# EAGLE board Mk4 Final Panel 8up 4x2 (EAGLE 9.0.1), part 20 of 23
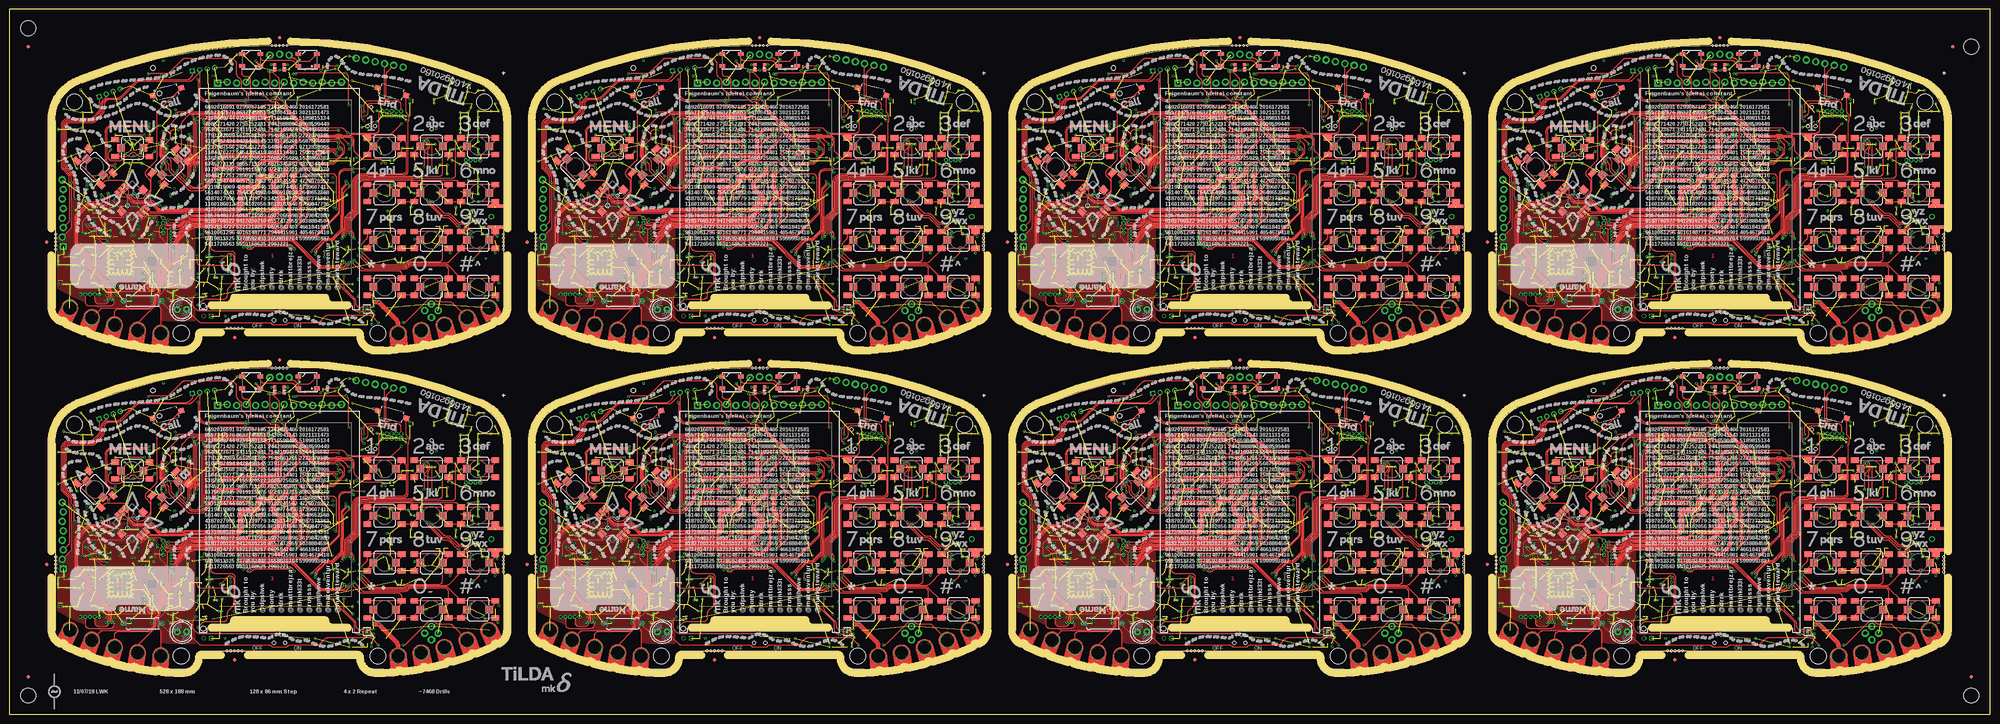
[diagram p0: board, top side]
## Tracks (layer width: path | path; a pad name or v marks a point on that pad's centre or on a via) (continued)
SSI2_CC_MISO3  (via drill 0.3) (continued)
  Bottom 0.15: IC65.7 158.25,115 R305.1 158.59,114.75 arc-45 159.29,114.46 160.06,113.69 arc45 161.12,113.25 166.45,113.25 arc90 167.7,114.5 167.7,116.43 arc-45 168.07,117.32 169.49,118.74 arc45 170,119.97 170,125.39 arc-45 170.29,126.09 v171,126.8 | IC56.1 206.2,142.6 206.31,142.49 arc-45 206.6,141.79 206.6,141.6 arc45 v206.75,141.24 | v204.6,130.8 204.55,130.75 v200.6,130.75
SSI2_CC_MISO4  (via drill 0.3)
  Top 0.15: v299,40.8 300.08,40.8 303.67,44.39 arc-45 304.9,44.9 328.24,44.9 arc-45 v328.6,44.75 | v334.75,55.24 334.52,55.01 arc-45 334.5,54.96 334.19,54.65 arc45 333.9,53.94 333.9,46.21 arc-45 333.61,45.51 332.9,44.8 v332.6,44.8
  Bottom 0.15: IC83.7 286.25,29 R383.1 286.59,28.75 arc-45 287.29,28.46 288.06,27.69 arc45 289.12,27.25 294.45,27.25 arc90 295.7,28.5 295.7,30.43 arc-45 296.07,31.32 297.49,32.74 arc45 298,33.98 298,39.39 arc-45 298.29,40.09 v299,40.8 | IC74.1 334.2,56.6 334.31,56.49 arc-45 334.6,55.79 334.6,55.6 arc45 v334.75,55.24 | v332.6,44.8 332.55,44.75 v328.6,44.75
SSI2_CC_MISO5  (via drill 0.3)
  Top 0.15: v427,40.8 428.08,40.8 431.67,44.39 arc-45 432.9,44.9 456.24,44.9 arc-45 v456.6,44.75 | v462.75,55.24 462.52,55.01 arc-45 462.5,54.96 462.19,54.65 arc45 461.9,53.94 461.9,46.21 arc-45 461.61,45.51 460.9,44.8 v460.6,44.8
  Bottom 0.15: IC101.7 414.25,29 R461.1 414.59,28.75 arc-45 415.29,28.46 416.06,27.69 arc45 417.12,27.25 422.45,27.25 arc90 423.7,28.5 423.7,30.43 arc-45 424.07,31.32 425.49,32.74 arc45 426,33.98 426,39.39 arc-45 426.29,40.09 v427,40.8 | IC92.1 462.2,56.6 462.31,56.49 arc-45 462.6,55.79 462.6,55.6 arc45 v462.75,55.24 | v460.6,44.8 460.55,44.75 v456.6,44.75
SSI2_CC_MISO6  (via drill 0.3)
  Top 0.15: v299,126.8 300.08,126.8 303.67,130.39 arc-45 304.9,130.9 328.24,130.9 arc-45 v328.6,130.75 | v334.75,141.24 334.52,141.01 arc-45 334.5,140.96 334.19,140.65 arc45 333.9,139.94 333.9,132.21 arc-45 333.61,131.51 332.9,130.8 v332.6,130.8
  Bottom 0.15: IC119.7 286.25,115 R539.1 286.59,114.75 arc-45 287.29,114.46 288.06,113.69 arc45 289.12,113.25 294.45,113.25 arc90 295.7,114.5 295.7,116.43 arc-45 296.07,117.32 297.49,118.74 arc45 298,119.97 298,125.39 arc-45 298.29,126.09 v299,126.8 | IC110.1 334.2,142.6 334.31,142.49 arc-45 334.6,141.79 334.6,141.6 arc45 v334.75,141.24 | v332.6,130.8 332.55,130.75 v328.6,130.75
SSI2_CC_MISO7  (via drill 0.3)
  Top 0.15: v427,126.8 428.08,126.8 431.67,130.39 arc-45 432.9,130.9 456.24,130.9 arc-45 v456.6,130.75 | v462.75,141.24 462.52,141.01 arc-45 462.5,140.96 462.19,140.65 arc45 461.9,139.94 461.9,132.21 arc-45 461.61,131.51 460.9,130.8 v460.6,130.8
  Bottom 0.15: IC137.7 414.25,115 R617.1 414.59,114.75 arc-45 415.29,114.46 416.06,113.69 arc45 417.12,113.25 422.45,113.25 arc90 423.7,114.5 423.7,116.43 arc-45 424.07,117.32 425.49,118.74 arc45 426,119.97 426,125.39 arc-45 426.29,126.09 v427,126.8 | IC128.1 462.2,142.6 462.31,142.49 arc-45 462.6,141.79 462.6,141.6 arc45 v462.75,141.24 | v460.6,130.8 460.55,130.75 v456.6,130.75
SSI2_CC_MOSI  (via drill 0.3)
  Top 0.15: v43,41.6 44.45,41.6 47.47,44.61 arc-45 48.88,45.2 71.89,45.2 arc45 v72.59,45.49 v72.6,45.5 | v78,56 78.5,56 arc-90 79.5,55 79.5,47.31 arc-45 79.21,46.61 v76.6,44
  Bottom 0.15: IC15.6 30.75,29.91 arc45 31.04,29.21 32.23,28.02 arc45 33.12,27.65 36.75,27.65 36.78,27.62 38.4,27.62 arc90 39.4,28.62 39.4,30.45 arc-45 39.84,31.51 41.26,32.94 arc45 41.7,34 41.7,39.89 arc-45 41.99,40.59 v43,41.6 | IC1.2 77.8,56.48 arc45 v78,56 | v72.6,45.5 arc90 72,44.9 arc90 72.9,44 v76.6,44
SSI2_CC_MOSI1  (via drill 0.3)
  Top 0.15: v171,41.6 172.45,41.6 175.47,44.61 arc-45 176.88,45.2 199.89,45.2 arc45 v200.59,45.49 v200.6,45.5 | v206,56 206.5,56 arc-90 207.5,55 207.5,47.31 arc-45 207.21,46.61 v204.6,44
  Bottom 0.15: IC29.6 158.75,29.91 arc45 159.04,29.21 160.23,28.02 arc45 161.12,27.65 164.75,27.65 164.78,27.62 166.4,27.62 arc90 167.4,28.62 167.4,30.45 arc-45 167.84,31.51 169.26,32.94 arc45 169.7,34 169.7,39.89 arc-45 169.99,40.59 v171,41.6 | IC20.2 205.8,56.48 arc45 v206,56 | v200.6,45.5 arc90 200,44.9 arc90 200.9,44 v204.6,44
SSI2_CC_MOSI2  (via drill 0.3)
  Top 0.15: v43,127.6 44.45,127.6 47.47,130.61 arc-45 48.88,131.2 71.89,131.2 arc45 v72.59,131.49 v72.6,131.5 | v78,142 78.5,142 arc-90 79.5,141 79.5,133.31 arc-45 79.21,132.61 v76.6,130
  Bottom 0.15: IC47.6 30.75,115.91 arc45 31.04,115.21 32.23,114.02 arc45 33.12,113.65 36.75,113.65 36.78,113.62 38.4,113.62 arc90 39.4,114.62 39.4,116.45 arc-45 39.84,117.51 41.26,118.94 arc45 41.7,120 41.7,125.89 arc-45 41.99,126.59 v43,127.6 | IC38.2 77.8,142.48 arc45 v78,142 | v72.6,131.5 arc90 72,130.9 arc90 72.9,130 v76.6,130
SSI2_CC_MOSI3  (via drill 0.3)
  Top 0.15: v171,127.6 172.45,127.6 175.47,130.61 arc-45 176.88,131.2 199.89,131.2 arc45 v200.59,131.49 v200.6,131.5 | v206,142 206.5,142 arc-90 207.5,141 207.5,133.31 arc-45 207.21,132.61 v204.6,130
  Bottom 0.15: IC65.6 158.75,115.91 arc45 159.04,115.21 160.23,114.02 arc45 161.12,113.65 164.75,113.65 164.78,113.62 166.4,113.62 arc90 167.4,114.62 167.4,116.45 arc-45 167.84,117.51 169.26,118.94 arc45 169.7,120 169.7,125.89 arc-45 169.99,126.59 v171,127.6 | IC56.2 205.8,142.48 arc45 v206,142 | v200.6,131.5 arc90 200,130.9 arc90 200.9,130 v204.6,130
SSI2_CC_MOSI4  (via drill 0.3)
  Top 0.15: v299,41.6 300.45,41.6 303.47,44.61 arc-45 304.88,45.2 327.89,45.2 arc45 v328.59,45.49 v328.6,45.5 | v334,56 334.5,56 arc-90 335.5,55 335.5,47.31 arc-45 335.21,46.61 v332.6,44
  Bottom 0.15: IC83.6 286.75,29.91 arc45 287.04,29.21 288.23,28.02 arc45 289.12,27.65 292.75,27.65 292.78,27.62 294.4,27.62 arc90 295.4,28.62 295.4,30.45 arc-45 295.84,31.51 297.26,32.94 arc45 297.7,34 297.7,39.89 arc-45 297.99,40.59 v299,41.6 | IC74.2 333.8,56.48 arc45 v334,56 | v328.6,45.5 arc90 328,44.9 arc90 328.9,44 v332.6,44
SSI2_CC_MOSI5  (via drill 0.3)
  Top 0.15: v427,41.6 428.45,41.6 431.47,44.61 arc-45 432.88,45.2 455.89,45.2 arc45 v456.59,45.49 v456.6,45.5 | v462,56 462.5,56 arc-90 463.5,55 463.5,47.31 arc-45 463.21,46.61 v460.6,44
  Bottom 0.15: IC101.6 414.75,29.91 arc45 415.04,29.21 416.23,28.02 arc45 417.12,27.65 420.75,27.65 420.78,27.62 422.4,27.62 arc90 423.4,28.62 423.4,30.45 arc-45 423.84,31.51 425.26,32.94 arc45 425.7,34 425.7,39.89 arc-45 425.99,40.59 v427,41.6 | IC92.2 461.8,56.48 arc45 v462,56 | v456.6,45.5 arc90 456,44.9 arc90 456.9,44 v460.6,44
SSI2_CC_MOSI6  (via drill 0.3)
  Top 0.15: v299,127.6 300.45,127.6 303.47,130.61 arc-45 304.88,131.2 327.89,131.2 arc45 v328.59,131.49 v328.6,131.5 | v334,142 334.5,142 arc-90 335.5,141 335.5,133.31 arc-45 335.21,132.61 v332.6,130
  Bottom 0.15: IC119.6 286.75,115.91 arc45 287.04,115.21 288.23,114.02 arc45 289.12,113.65 292.75,113.65 292.78,113.62 294.4,113.62 arc90 295.4,114.62 295.4,116.45 arc-45 295.84,117.51 297.26,118.94 arc45 297.7,120 297.7,125.89 arc-45 297.99,126.59 v299,127.6 | IC110.2 333.8,142.48 arc45 v334,142 | v328.6,131.5 arc90 328,130.9 arc90 328.9,130 v332.6,130
SSI2_CC_MOSI7  (via drill 0.3)
  Top 0.15: v427,127.6 428.45,127.6 431.47,130.61 arc-45 432.88,131.2 455.89,131.2 arc45 v456.59,131.49 v456.6,131.5 | v462,142 462.5,142 arc-90 463.5,141 463.5,133.31 arc-45 463.21,132.61 v460.6,130
  Bottom 0.15: IC137.6 414.75,115.91 arc45 415.04,115.21 416.23,114.02 arc45 417.12,113.65 420.75,113.65 420.78,113.62 422.4,113.62 arc90 423.4,114.62 423.4,116.45 arc-45 423.84,117.51 425.26,118.94 arc45 425.7,120 425.7,125.89 arc-45 425.99,126.59 v427,127.6 | IC128.2 461.8,142.48 arc45 v462,142 | v456.6,131.5 arc90 456,130.9 arc90 456.9,130 v460.6,130
SSI3_CLK
  Bottom 0.15: IC6.6 81.33,54.5 77.35,54.5 arc-90 76.6,55.25 IC1.5
SSI3_CLK1
  Bottom 0.15: IC22.6 209.33,54.5 205.35,54.5 arc-90 204.6,55.25 IC20.5
SSI3_CLK2
  Bottom 0.15: IC40.6 81.33,140.5 77.35,140.5 arc-90 76.6,141.25 IC38.5
SSI3_CLK3
  Bottom 0.15: IC58.6 209.33,140.5 205.35,140.5 arc-90 204.6,141.25 IC56.5
SSI3_CLK4
  Bottom 0.15: IC76.6 337.33,54.5 333.35,54.5 arc-90 332.6,55.25 IC74.5
SSI3_CLK5
  Bottom 0.15: IC94.6 465.33,54.5 461.35,54.5 arc-90 460.6,55.25 IC92.5
SSI3_CLK6
  Bottom 0.15: IC112.6 337.33,140.5 333.35,140.5 arc-90 332.6,141.25 IC110.5
SSI3_CLK7
  Bottom 0.15: IC130.6 465.33,140.5 461.35,140.5 arc-90 460.6,141.25 IC128.5
SSI3_DAT0  (via drill 0.3)
  Top 0.15: v74.7,59.2 74.6,59.1 arc45 74.45,58.74 74.45,58.56 arc-45 74.3,58.2 arc45 74.2,57.95 74.2,54.41 arc45 74.49,53.71 74.51,53.69 arc-45 74.8,52.99 74.8,52.44 arc-45 v74.7,52.2
  Bottom 0.15: IC1.11 74.2,57.95 arc-45 74.3,58.2 arc45 74.45,58.56 74.45,58.74 arc-45 74.6,59.1 v74.7,59.2 | IC6.5 77.57,53.24 arc45 76.86,52.95 76.4,52.49 arc-45 75.7,52.2 v74.7,52.2
SSI3_DAT1  (via drill 0.3)
  Top 0.15: v86.3,55.8 80.67,55.8 arc-45 79.97,56.09 79.09,56.97 arc-45 78.8,57.67 78.8,59.09 arc45 78.51,59.79 77.39,60.91 arc45 76.69,61.2 70.01,61.2 arc45 69.31,60.91 68.09,59.69 arc45 67.8,58.99 v67.8,58.6
  Bottom 0.15: IC1.27 v67.8,58.6 | IC6.2 86.31,55.78 v86.3,55.8
SSI3_DAT2  (via drill 0.3)
  Top 0.15: v214.3,55.8 208.67,55.8 arc-45 207.97,56.09 207.09,56.97 arc-45 206.8,57.67 206.8,59.09 arc45 206.51,59.79 205.39,60.91 arc45 204.69,61.2 198.01,61.2 arc45 197.31,60.91 196.09,59.69 arc45 195.8,58.99 v195.8,58.6
  Bottom 0.15: IC20.27 v195.8,58.6 | IC22.2 214.31,55.78 v214.3,55.8
SSI3_DAT3  (via drill 0.3)
  Top 0.15: v202.7,59.2 202.6,59.1 arc45 202.45,58.74 202.45,58.56 arc-45 202.3,58.2 arc45 202.2,57.95 202.2,54.41 arc45 202.49,53.71 202.51,53.69 arc-45 202.8,52.99 202.8,52.44 arc-45 v202.7,52.2
  Bottom 0.15: IC20.11 202.2,57.95 arc-45 202.3,58.2 arc45 202.45,58.56 202.45,58.74 arc-45 202.6,59.1 v202.7,59.2 | IC22.5 205.57,53.24 arc45 204.86,52.95 204.4,52.49 arc-45 203.7,52.2 v202.7,52.2
SSI3_DAT4  (via drill 0.3)
  Top 0.15: v86.3,141.8 80.67,141.8 arc-45 79.97,142.09 79.09,142.97 arc-45 78.8,143.67 78.8,145.09 arc45 78.51,145.79 77.39,146.91 arc45 76.69,147.2 70.01,147.2 arc45 69.31,146.91 68.09,145.69 arc45 67.8,144.99 v67.8,144.6
  Bottom 0.15: IC38.27 v67.8,144.6 | IC40.2 86.31,141.78 v86.3,141.8
SSI3_DAT5  (via drill 0.3)
  Top 0.15: v74.7,145.2 74.6,145.1 arc45 74.45,144.74 74.45,144.56 arc-45 74.3,144.2 arc45 74.2,143.95 74.2,140.41 arc45 74.49,139.71 74.51,139.69 arc-45 74.8,138.99 74.8,138.44 arc-45 v74.7,138.2
  Bottom 0.15: IC38.11 74.2,143.95 arc-45 74.3,144.2 arc45 74.45,144.56 74.45,144.74 arc-45 74.6,145.1 v74.7,145.2 | IC40.5 77.57,139.25 arc45 76.86,138.95 76.4,138.49 arc-45 75.7,138.2 v74.7,138.2
SSI3_DAT6  (via drill 0.3)
  Top 0.15: v214.3,141.8 208.67,141.8 arc-45 207.97,142.09 207.09,142.97 arc-45 206.8,143.67 206.8,145.09 arc45 206.51,145.79 205.39,146.91 arc45 204.69,147.2 198.01,147.2 arc45 197.31,146.91 196.09,145.69 arc45 195.8,144.99 v195.8,144.6
  Bottom 0.15: IC56.27 v195.8,144.6 | IC58.2 214.31,141.78 v214.3,141.8
SSI3_DAT7  (via drill 0.3)
  Top 0.15: v202.7,145.2 202.6,145.1 arc45 202.45,144.74 202.45,144.56 arc-45 202.3,144.2 arc45 202.2,143.95 202.2,140.41 arc45 202.49,139.71 202.51,139.69 arc-45 202.8,138.99 202.8,138.44 arc-45 v202.7,138.2
  Bottom 0.15: IC56.11 202.2,143.95 arc-45 202.3,144.2 arc45 202.45,144.56 202.45,144.74 arc-45 202.6,145.1 v202.7,145.2 | IC58.5 205.57,139.25 arc45 204.86,138.95 204.4,138.49 arc-45 203.7,138.2 v202.7,138.2
SSI3_DAT8  (via drill 0.3)
  Top 0.15: v342.3,55.8 336.67,55.8 arc-45 335.96,56.09 335.09,56.97 arc-45 334.8,57.67 334.8,59.09 arc45 334.51,59.79 333.39,60.91 arc45 332.69,61.2 326.01,61.2 arc45 325.31,60.91 324.09,59.69 arc45 323.8,58.99 v323.8,58.6
  Bottom 0.15: IC74.27 v323.8,58.6 | IC76.2 342.31,55.78 v342.3,55.8
SSI3_DAT9  (via drill 0.3)
  Top 0.15: v330.7,59.2 330.6,59.1 arc45 330.45,58.74 330.45,58.56 arc-45 330.3,58.2 arc45 330.2,57.95 330.2,54.41 arc45 330.49,53.71 330.51,53.69 arc-45 330.8,52.99 330.8,52.44 arc-45 v330.7,52.2
  Bottom 0.15: IC74.11 330.2,57.95 arc-45 330.3,58.2 arc45 330.45,58.56 330.45,58.74 arc-45 330.6,59.1 v330.7,59.2 | IC76.5 333.57,53.24 arc45 332.86,52.95 332.4,52.49 arc-45 331.7,52.2 v330.7,52.2
SSI3_DAT10  (via drill 0.3)
  Top 0.15: v470.3,55.8 464.67,55.8 arc-45 463.96,56.09 463.09,56.97 arc-45 462.8,57.67 462.8,59.09 arc45 462.51,59.79 461.39,60.91 arc45 460.69,61.2 454.01,61.2 arc45 453.31,60.91 452.09,59.69 arc45 451.8,58.99 v451.8,58.6
  Bottom 0.15: IC92.27 v451.8,58.6 | IC94.2 470.31,55.78 v470.3,55.8
SSI3_DAT11  (via drill 0.3)
  Top 0.15: v458.7,59.2 458.6,59.1 arc45 458.45,58.74 458.45,58.56 arc-45 458.3,58.2 arc45 458.2,57.95 458.2,54.41 arc45 458.49,53.71 458.51,53.69 arc-45 458.8,52.99 458.8,52.44 arc-45 v458.7,52.2
  Bottom 0.15: IC92.11 458.2,57.95 arc-45 458.3,58.2 arc45 458.45,58.56 458.45,58.74 arc-45 458.6,59.1 v458.7,59.2 | IC94.5 461.57,53.24 arc45 460.86,52.95 460.4,52.49 arc-45 459.7,52.2 v458.7,52.2
SSI3_DAT12  (via drill 0.3)
  Top 0.15: v342.3,141.8 336.67,141.8 arc-45 335.96,142.09 335.09,142.97 arc-45 334.8,143.67 334.8,145.09 arc45 334.51,145.79 333.39,146.91 arc45 332.69,147.2 326.01,147.2 arc45 325.31,146.91 324.09,145.69 arc45 323.8,144.99 v323.8,144.6
  Bottom 0.15: IC110.27 v323.8,144.6 | IC112.2 342.31,141.78 v342.3,141.8
SSI3_DAT13  (via drill 0.3)
  Top 0.15: v330.7,145.2 330.6,145.1 arc45 330.45,144.74 330.45,144.56 arc-45 330.3,144.2 arc45 330.2,143.95 330.2,140.41 arc45 330.49,139.71 330.51,139.69 arc-45 330.8,138.99 330.8,138.44 arc-45 v330.7,138.2
  Bottom 0.15: IC110.11 330.2,143.95 arc-45 330.3,144.2 arc45 330.45,144.56 330.45,144.74 arc-45 330.6,145.1 v330.7,145.2 | IC112.5 333.57,139.25 arc45 332.86,138.95 332.4,138.49 arc-45 331.7,138.2 v330.7,138.2
SSI3_DAT14  (via drill 0.3)
  Top 0.15: v470.3,141.8 464.67,141.8 arc-45 463.96,142.09 463.09,142.97 arc-45 462.8,143.67 462.8,145.09 arc45 462.51,145.79 461.39,146.91 arc45 460.69,147.2 454.01,147.2 arc45 453.31,146.91 452.09,145.69 arc45 451.8,144.99 v451.8,144.6
  Bottom 0.15: IC128.27 v451.8,144.6 | IC130.2 470.31,141.78 v470.3,141.8
SSI3_DAT15  (via drill 0.3)
  Top 0.15: v458.7,145.2 458.6,145.1 arc45 458.45,144.74 458.45,144.56 arc-45 458.3,144.2 arc45 458.2,143.95 458.2,140.41 arc45 458.49,139.71 458.51,139.69 arc-45 458.8,138.99 458.8,138.44 arc-45 v458.7,138.2
  Bottom 0.15: IC128.11 458.2,143.95 arc-45 458.3,144.2 arc45 458.45,144.56 458.45,144.74 arc-45 458.6,145.1 v458.7,145.2 | IC130.5 461.57,139.25 arc45 460.86,138.95 460.4,138.49 arc-45 459.7,138.2 v458.7,138.2
SSI3_FSS  (via drill 0.3)
  3V3@2 0.15: v83.6,54.2 83.6,54.6 83.6,54.7 85.95,57.05 v86.25,57.05
  Bottom 0.15: IC1.6 76.2,54.9 arc90 77.2,53.9 82.49,53.9 arc45 82.85,54.05 82.85,54.05 arc-45 83.21,54.2 v83.6,54.2 | v86.25,57.05 IC6.1
SSI3_FSS1  (via drill 0.3)
  3V3@2 0.15: v211.6,54.2 211.6,54.7 213.96,57.05 v214.25,57.05
  Bottom 0.15: IC20.6 204.2,54.9 arc90 205.2,53.9 210.49,53.9 arc45 210.85,54.05 210.85,54.05 arc-45 211.21,54.2 v211.6,54.2 | v214.25,57.05 IC22.1
SSI3_FSS2  (via drill 0.3)
  3V3@2 0.15: v83.6,140.2 83.6,140.7 85.95,143.06 v86.25,143.06
  Bottom 0.15: IC38.6 76.2,140.9 arc90 77.2,139.9 82.49,139.9 arc45 82.85,140.05 82.85,140.05 arc-45 83.21,140.2 v83.6,140.2 | v86.25,143.06 IC40.1
SSI3_FSS3  (via drill 0.3)
  3V3@2 0.15: v211.6,140.2 211.6,140.7 213.96,143.06 v214.25,143.06
  Bottom 0.15: IC56.6 204.2,140.9 arc90 205.2,139.9 210.49,139.9 arc45 210.85,140.05 210.85,140.05 arc-45 211.21,140.2 v211.6,140.2 | v214.25,143.06 IC58.1
SSI3_FSS4  (via drill 0.3)
  3V3@2 0.15: v339.6,54.2 339.6,54.7 341.95,57.05 v342.25,57.05
  Bottom 0.15: IC74.6 332.2,54.9 arc90 333.2,53.9 338.49,53.9 arc45 338.85,54.05 338.85,54.05 arc-45 339.21,54.2 v339.6,54.2 | v342.25,57.05 IC76.1
SSI3_FSS5  (via drill 0.3)
  3V3@2 0.15: v467.6,54.2 467.6,54.7 469.95,57.05 v470.25,57.05
  Bottom 0.15: IC92.6 460.2,54.9 arc90 461.2,53.9 466.49,53.9 arc45 466.85,54.05 466.85,54.05 arc-45 467.21,54.2 v467.6,54.2 | v470.25,57.05 IC94.1
SSI3_FSS6  (via drill 0.3)
  3V3@2 0.15: v339.6,140.2 339.6,140.7 341.95,143.06 v342.25,143.06
  Bottom 0.15: IC110.6 332.2,140.9 arc90 333.2,139.9 338.49,139.9 arc45 338.85,140.05 338.85,140.05 arc-45 339.21,140.2 v339.6,140.2 | v342.25,143.06 IC112.1
SSI3_FSS7  (via drill 0.3)
  3V3@2 0.15: v467.6,140.2 467.6,140.7 469.95,143.06 v470.25,143.06
  Bottom 0.15: IC128.6 460.2,140.9 arc90 461.2,139.9 466.49,139.9 arc45 466.85,140.05 466.85,140.05 arc-45 467.21,140.2 v467.6,140.2 | v470.25,143.06 IC130.1
SW
  Bottom 0.25: IC9.6 45.1,26.35
  Bottom 0.5: 45.1,26.35 L4.1
SW1
  Bottom 0.25: IC33.6 173.1,26.35
  Bottom 0.5: 173.1,26.35 L11.1
SW2
  Bottom 0.25: IC51.6 45.1,112.35
  Bottom 0.5: 45.1,112.35 L20.1
SW3
  Bottom 0.25: IC69.6 173.1,112.35
  Bottom 0.5: 173.1,112.35 L29.1
SW4
  Bottom 0.25: IC87.6 301.1,26.35
  Bottom 0.5: 301.1,26.35 L38.1
SW5
  Bottom 0.25: IC105.6 429.1,26.35
  Bottom 0.5: 429.1,26.35 L47.1
SW6
  Bottom 0.25: IC123.6 301.1,112.35
  Bottom 0.5: 301.1,112.35 L56.1
SW7
  Bottom 0.25: IC141.6 429.1,112.35
  Bottom 0.5: 429.1,112.35 L65.1
SWCLK  (via drill 0.3)
  Top 0.2: J3.4 103.17,76 arc90 102.17,77 96.5,77 arc90 95.5,76 95.5,74.45 arc-90 94.55,73.5 v94.5,73.45
  Bottom 0.2: IC1.100 82.59,70 arc45 83.29,70.29 84.21,71.21 arc-45 84.91,71.5 90.69,71.5 arc45 91.39,71.79 92.76,73.16 arc-45 93.46,73.45 v94.5,73.45 94.59,73.36 JP4.4
SWCLK1  (via drill 0.3)
  Top 0.2: J13.4 231.17,76 arc90 230.17,77 224.5,77 arc90 223.5,76 223.5,74.45 arc-90 222.55,73.5 v222.5,73.45
  Bottom 0.2: IC20.100 210.59,70 arc45 211.29,70.29 212.21,71.21 arc-45 212.91,71.5 218.69,71.5 arc45 219.39,71.79 220.76,73.16 arc-45 221.46,73.45 v222.5,73.45 222.59,73.36 JP10.4
SWCLK2  (via drill 0.3)
  Top 0.2: J23.4 103.17,162 arc90 102.17,163 96.5,163 arc90 95.5,162 95.5,160.45 arc-90 94.55,159.5 v94.5,159.45
  Bottom 0.2: IC38.100 82.59,156 arc45 83.29,156.29 84.21,157.21 arc-45 84.91,157.5 90.69,157.5 arc45 91.39,157.79 92.76,159.16 arc-45 93.46,159.45 v94.5,159.45 94.59,159.36 JP19.4
SWCLK3  (via drill 0.3)
  Top 0.2: J33.4 231.17,162 arc90 230.17,163 224.5,163 arc90 223.5,162 223.5,160.45 arc-90 222.55,159.5 v222.5,159.45
  Bottom 0.2: IC56.100 210.59,156 arc45 211.29,156.29 212.21,157.21 arc-45 212.91,157.5 218.69,157.5 arc45 219.39,157.79 220.76,159.16 arc-45 221.46,159.45 v222.5,159.45 222.59,159.36 JP28.4
SWCLK4  (via drill 0.3)
  Top 0.2: J43.4 359.17,76 arc90 358.17,77 352.5,77 arc90 351.5,76 351.5,74.45 arc-90 350.55,73.5 v350.5,73.45
  Bottom 0.2: IC74.100 338.59,70 arc45 339.29,70.29 340.21,71.21 arc-45 340.91,71.5 346.69,71.5 arc45 347.39,71.79 348.76,73.16 arc-45 349.46,73.45 v350.5,73.45 350.59,73.36 JP37.4
SWCLK5  (via drill 0.3)
  Top 0.2: J53.4 487.17,76 arc90 486.17,77 480.5,77 arc90 479.5,76 479.5,74.45 arc-90 478.55,73.5 v478.5,73.45
  Bottom 0.2: IC92.100 466.59,70 arc45 467.29,70.29 468.21,71.21 arc-45 468.91,71.5 474.69,71.5 arc45 475.39,71.79 476.76,73.16 arc-45 477.46,73.45 v478.5,73.45 478.59,73.36 JP46.4
SWCLK6  (via drill 0.3)
  Top 0.2: J63.4 359.17,162 arc90 358.17,163 352.5,163 arc90 351.5,162 351.5,160.45 arc-90 350.55,159.5 v350.5,159.45
  Bottom 0.2: IC110.100 338.59,156 arc45 339.29,156.29 340.21,157.21 arc-45 340.91,157.5 346.69,157.5 arc45 347.39,157.79 348.76,159.16 arc-45 349.46,159.45 v350.5,159.45 350.59,159.36 JP55.4
SWCLK7  (via drill 0.3)
  Top 0.2: J73.4 487.17,162 arc90 486.17,163 480.5,163 arc90 479.5,162 479.5,160.45 arc-90 478.55,159.5 v478.5,159.45
  Bottom 0.2: IC128.100 466.59,156 arc45 467.29,156.29 468.21,157.21 arc-45 468.91,157.5 474.69,157.5 arc45 475.39,157.79 476.76,159.16 arc-45 477.46,159.45 v478.5,159.45 478.59,159.36 JP64.4
SWDIO  (via drill 0.3)
  Top 0.2: J3.2 104.44,76.5 arc90 103.44,77.5 95.5,77.5 arc90 94.5,76.5 v94.5,74.7
  Bottom 0.2: IC1.99 82.49,70.4 arc45 83.19,70.69 84.06,71.56 arc-45 84.76,71.85 90.44,71.85 arc45 91.14,72.14 93.41,74.41 arc-45 94.11,74.7 v94.5,74.7 94.57,74.63 JP4.2
SWDIO1  (via drill 0.3)
  Top 0.2: J13.2 232.44,76.5 arc90 231.44,77.5 223.5,77.5 arc90 222.5,76.5 v222.5,74.7
  Bottom 0.2: IC20.99 210.49,70.4 arc45 211.19,70.69 212.06,71.56 arc-45 212.76,71.85 218.44,71.85 arc45 219.14,72.14 221.41,74.41 arc-45 222.11,74.7 v222.5,74.7 222.57,74.63 JP10.2
SWDIO2  (via drill 0.3)
  Top 0.2: J23.2 104.44,162.5 arc90 103.44,163.5 95.5,163.5 arc90 94.5,162.5 v94.5,160.7
  Bottom 0.2: IC38.99 82.49,156.4 arc45 83.19,156.69 84.06,157.56 arc-45 84.76,157.85 90.44,157.85 arc45 91.14,158.14 93.41,160.41 arc-45 94.11,160.7 v94.5,160.7 94.57,160.63 JP19.2
SWDIO3  (via drill 0.3)
  Top 0.2: J33.2 232.44,162.5 arc90 231.44,163.5 223.5,163.5 arc90 222.5,162.5 v222.5,160.7
  Bottom 0.2: IC56.99 210.49,156.4 arc45 211.19,156.69 212.06,157.56 arc-45 212.76,157.85 218.44,157.85 arc45 219.14,158.14 221.41,160.41 arc-45 222.11,160.7 v222.5,160.7 222.57,160.63 JP28.2
SWDIO4  (via drill 0.3)
  Top 0.2: J43.2 360.44,76.5 arc90 359.44,77.5 351.5,77.5 arc90 350.5,76.5 v350.5,74.7
  Bottom 0.2: IC74.99 338.49,70.4 arc45 339.19,70.69 340.06,71.56 arc-45 340.76,71.85 346.44,71.85 arc45 347.14,72.14 349.41,74.41 arc-45 350.11,74.7 v350.5,74.7 350.57,74.63 JP37.2
SWDIO5  (via drill 0.3)
  Top 0.2: J53.2 488.44,76.5 arc90 487.44,77.5 479.5,77.5 arc90 478.5,76.5 v478.5,74.7
  Bottom 0.2: IC92.99 466.49,70.4 arc45 467.19,70.69 468.06,71.56 arc-45 468.76,71.85 474.44,71.85 arc45 475.14,72.14 477.41,74.41 arc-45 478.11,74.7 v478.5,74.7 478.57,74.63 JP46.2
SWDIO6  (via drill 0.3)
  Top 0.2: J63.2 360.44,162.5 arc90 359.44,163.5 351.5,163.5 arc90 350.5,162.5 v350.5,160.7
  Bottom 0.2: IC110.99 338.49,156.4 arc45 339.19,156.69 340.06,157.56 arc-45 340.76,157.85 346.44,157.85 arc45 347.14,158.14 349.41,160.41 arc-45 350.11,160.7 v350.5,160.7 350.57,160.63 JP55.2
SWDIO7  (via drill 0.3)
  Top 0.2: J73.2 488.44,162.5 arc90 487.44,163.5 479.5,163.5 arc90 478.5,162.5 v478.5,160.7
  Bottom 0.2: IC128.99 466.49,156.4 arc45 467.19,156.69 468.06,157.56 arc-45 468.76,157.85 474.44,157.85 arc45 475.14,158.14 477.41,160.41 arc-45 478.11,160.7 v478.5,160.7 478.57,160.63 JP64.2
SWO  (via drill 0.3)
  Top 0.2: v93.75,76.25 93.75,73.41 arc45 94.04,72.71 v94.5,72.25
  Bottom 0.2: J3.6 101.9,76.3 arc90 100.9,77.3 95.16,77.3 arc45 94.46,77.01 93.75,76.3 v93.75,76.25 93.75,75.75 90.89,72.89 arc-45 90.19,72.6 84.51,72.6 arc45 83.81,72.31 82.99,71.49 arc-45 82.29,71.2 81.78,71.2 arc-45 81.43,71.35 81.37,71.4 arc45 81.02,71.55 81,71.55 80.98,71.55 arc45 80.63,71.4 80.57,71.35 arc-45 80.22,71.2 IC1.97 | JP4.6 94.66,72.09 v94.5,72.25
SWO1  (via drill 0.3)
  Top 0.2: v221.75,76.25 221.75,73.41 arc45 222.04,72.71 v222.5,72.25
  Bottom 0.2: J13.6 229.9,76.3 arc90 228.9,77.3 223.16,77.3 arc45 222.46,77.01 221.75,76.3 v221.75,76.25 221.75,75.75 218.89,72.89 arc-45 218.19,72.6 212.51,72.6 arc45 211.81,72.31 210.99,71.49 arc-45 210.29,71.2 209.78,71.2 arc-45 209.43,71.35 209.37,71.4 arc45 209.02,71.55 208.98,71.55 arc45 208.63,71.4 208.57,71.35 arc-45 208.22,71.2 IC20.97 | JP10.6 222.66,72.09 v222.5,72.25
SWO2  (via drill 0.3)
  Top 0.2: v93.75,162.25 93.75,159.41 arc45 94.04,158.71 v94.5,158.25
  Bottom 0.2: J23.6 101.9,162.3 arc90 100.9,163.3 95.16,163.3 arc45 94.46,163.01 93.75,162.3 v93.75,162.25 93.75,161.75 90.89,158.89 arc-45 90.19,158.6 84.51,158.6 arc45 83.81,158.31 82.99,157.49 arc-45 82.29,157.2 81.78,157.2 arc-45 81.43,157.35 81.37,157.4 arc45 81.02,157.55 80.98,157.55 arc45 80.63,157.4 80.57,157.35 arc-45 80.22,157.2 IC38.97 | JP19.6 94.66,158.09 v94.5,158.25
SWO3  (via drill 0.3)
  Top 0.2: v221.75,162.25 221.75,159.41 arc45 222.04,158.71 v222.5,158.25
  Bottom 0.2: J33.6 229.9,162.3 arc90 228.9,163.3 223.16,163.3 arc45 222.46,163.01 221.75,162.3 v221.75,162.25 221.75,161.75 218.89,158.89 arc-45 218.19,158.6 212.51,158.6 arc45 211.81,158.31 210.99,157.49 arc-45 210.29,157.2 209.78,157.2 arc-45 209.43,157.35 209.37,157.4 arc45 209.02,157.55 208.98,157.55 arc45 208.63,157.4 208.57,157.35 arc-45 208.22,157.2 IC56.97 | JP28.6 222.66,158.09 v222.5,158.25
SWO4  (via drill 0.3)
  Top 0.2: v349.75,76.25 349.75,73.41 arc45 350.04,72.71 v350.5,72.25
  Bottom 0.2: J43.6 357.9,76.3 arc90 356.9,77.3 351.16,77.3 arc45 350.46,77.01 349.75,76.3 v349.75,76.25 349.75,75.75 346.89,72.89 arc-45 346.19,72.6 340.51,72.6 arc45 339.81,72.31 338.99,71.49 arc-45 338.29,71.2 337.79,71.2 arc-45 337.43,71.35 337.37,71.4 arc45 337.02,71.55 336.98,71.55 arc45 336.63,71.4 336.57,71.35 arc-45 336.21,71.2 IC74.97 | JP37.6 350.66,72.09 v350.5,72.25
SWO5  (via drill 0.3)
  Top 0.2: v477.75,76.25 477.75,73.41 arc45 478.04,72.71 v478.5,72.25
  Bottom 0.2: J53.6 485.9,76.3 arc90 484.9,77.3 479.16,77.3 arc45 478.46,77.01 477.75,76.3 v477.75,76.25 477.75,75.75 474.89,72.89 arc-45 474.19,72.6 468.51,72.6 arc45 467.81,72.31 466.99,71.49 arc-45 466.29,71.2 465.79,71.2 arc-45 465.43,71.35 465.37,71.4 arc45 465.02,71.55 464.98,71.55 arc45 464.63,71.4 464.57,71.35 arc-45 464.21,71.2 IC92.97 | JP46.6 478.66,72.09 v478.5,72.25
SWO6  (via drill 0.3)
  Top 0.2: v349.75,162.25 349.75,159.41 arc45 350.04,158.71 v350.5,158.25
  Bottom 0.2: J63.6 357.9,162.3 arc90 356.9,163.3 351.16,163.3 arc45 350.46,163.01 349.75,162.3 v349.75,162.25 349.75,161.75 346.89,158.89 arc-45 346.19,158.6 340.51,158.6 arc45 339.81,158.31 338.99,157.49 arc-45 338.29,157.2 337.79,157.2 arc-45 337.43,157.35 337.37,157.4 arc45 337.02,157.55 336.98,157.55 arc45 336.63,157.4 336.57,157.35 arc-45 336.21,157.2 IC110.97 | JP55.6 350.66,158.09 v350.5,158.25